# Altium PCB EPS.PcbDoc (part 6 of 10) (continued)
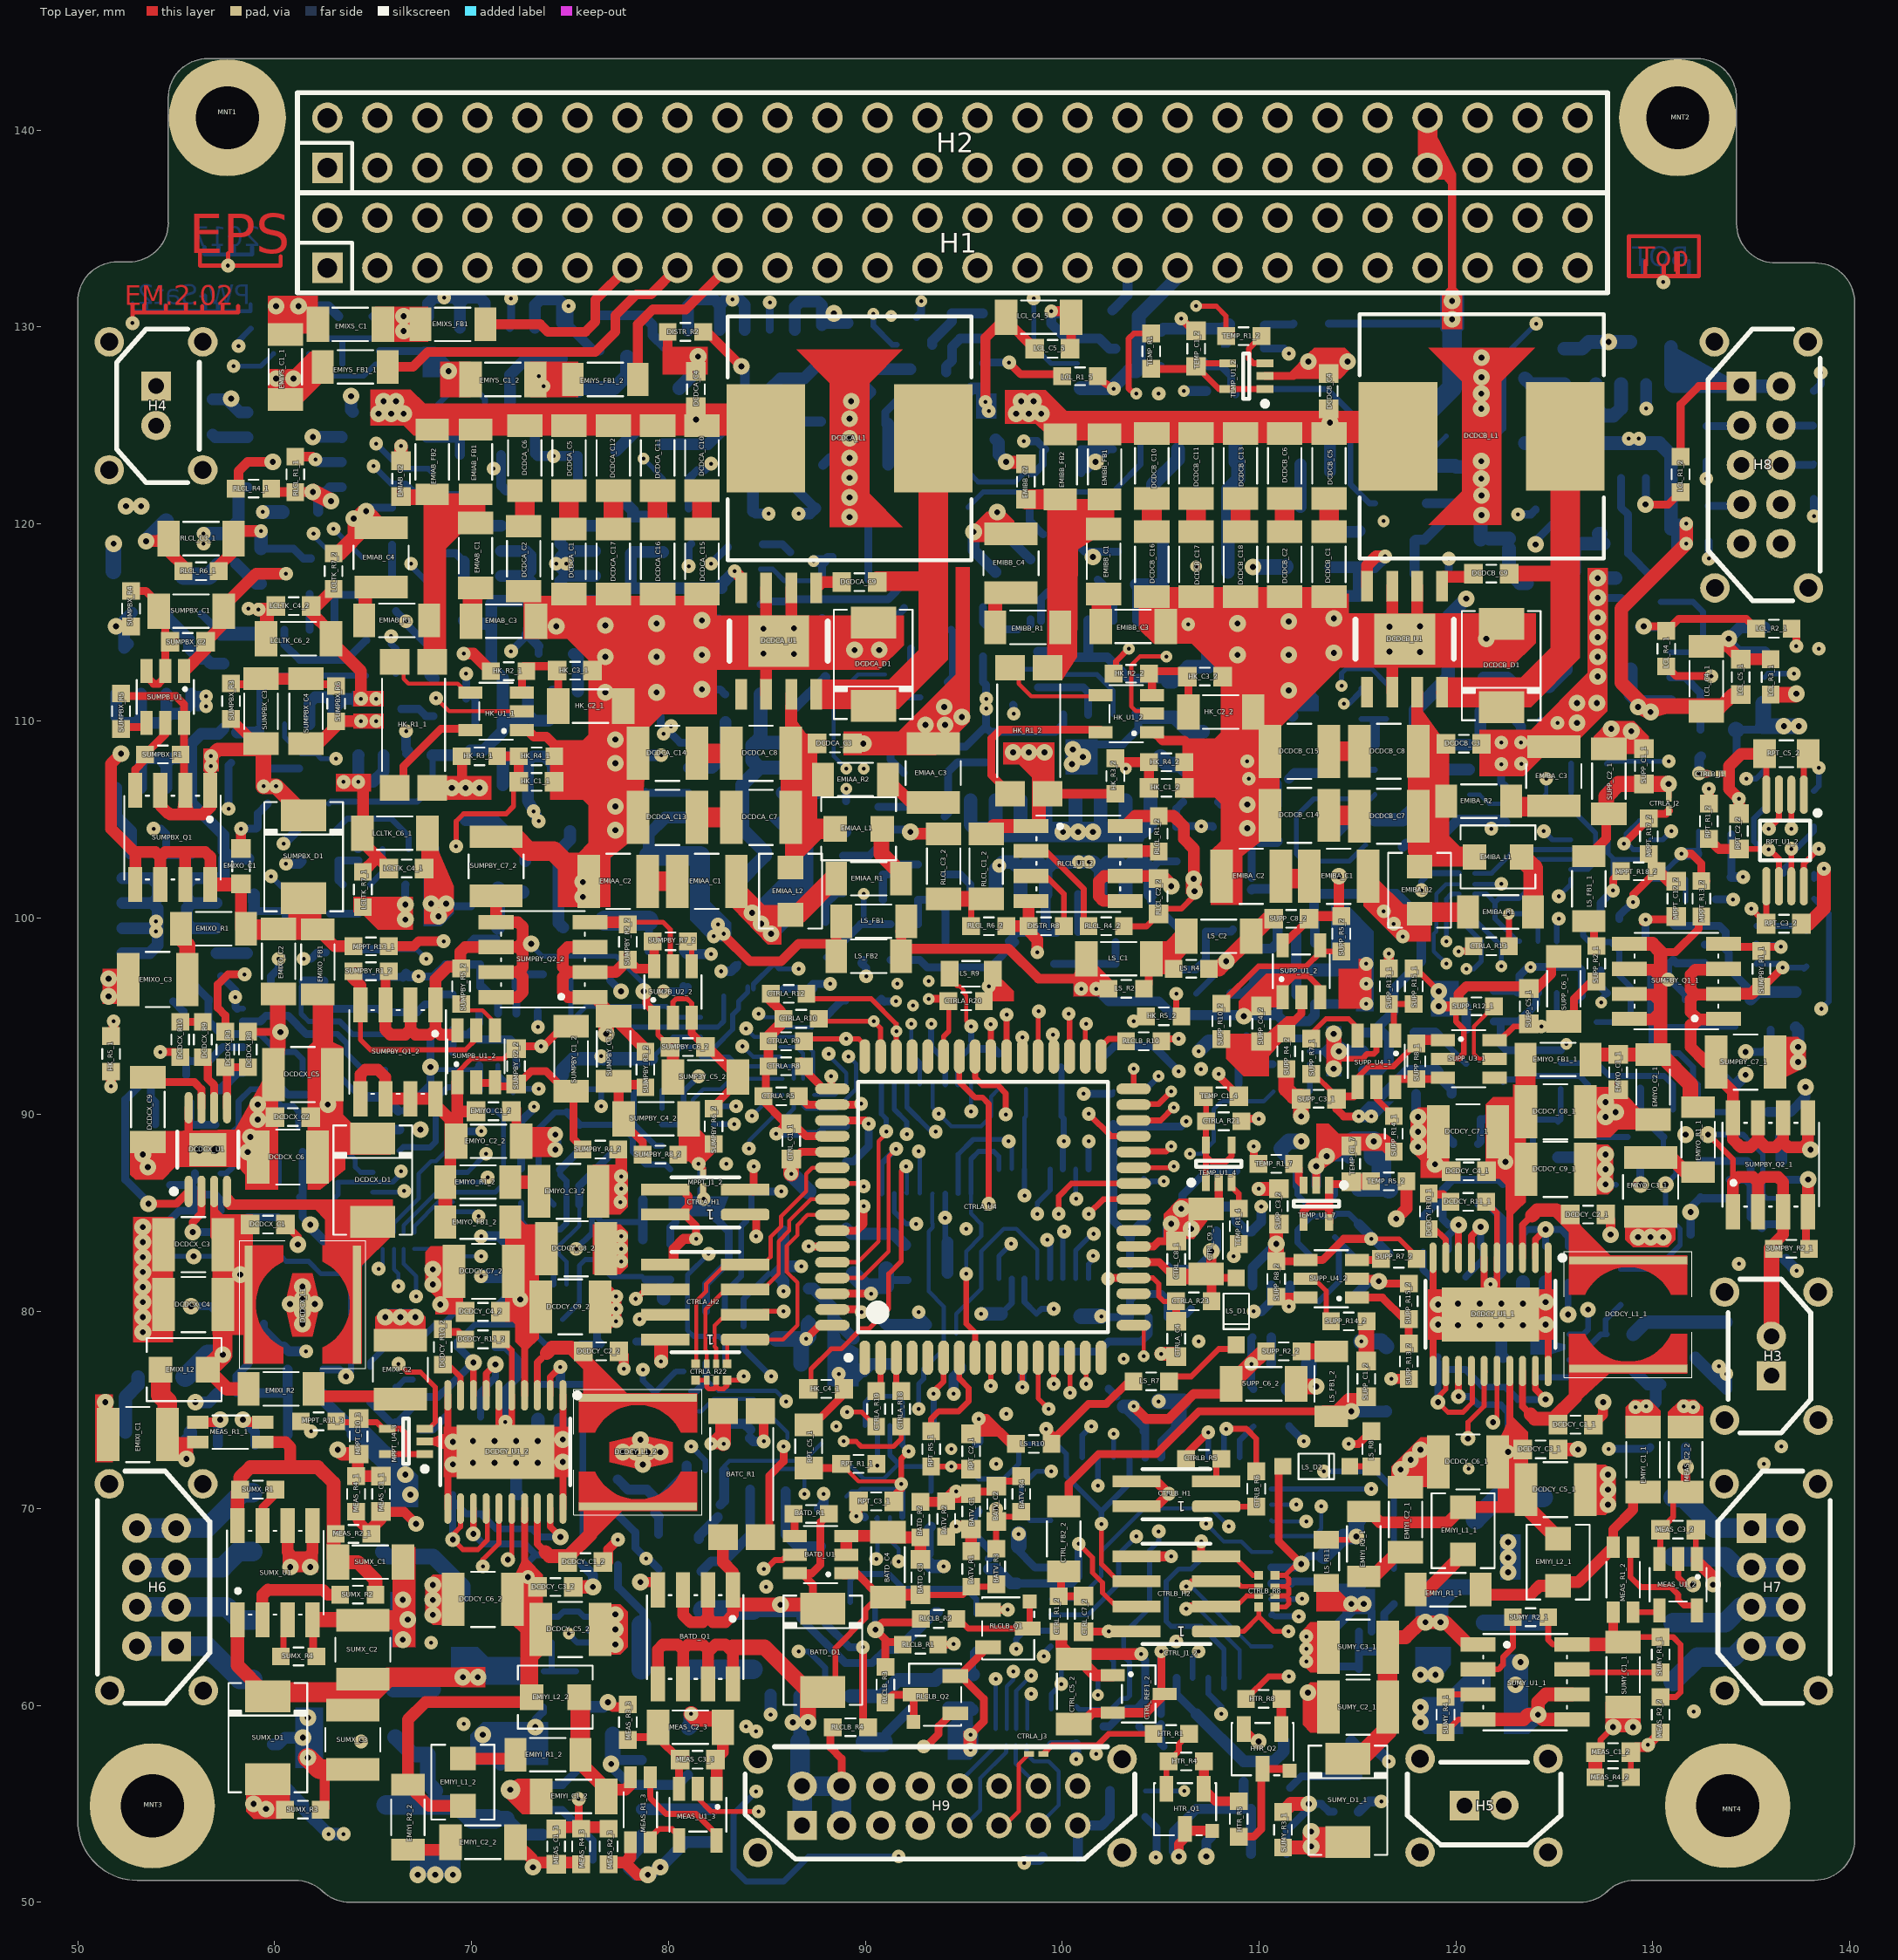
[diagram p0: Top Layer view]
## Nets (pads, with @x,y where several pads share a name; then routed paths per layer and width w, separated by ;. In a path a pad name is that pad's centre, name@x,y a point inside that pad or via, vN(x,y) a via of type N, cw(c..) or ccw(c..) an arc to the next point about the centre after c; other vN are vias at no path point) (continued)
  Top Layer w0.3: DCDCY_R10_1.1@118.58,84.29 118.845,84.29 119.48,83.655 DCDCY_U1_1.9@119.48,82.731
NetDCDCY_R10_1_2: DCDCY_R10_1.2 DCDCY_R11_1.1 | length 1.4
  Top Layer w0.4: DCDCY_R10_1.2@118.58,86.09 118.718,85.952 119.342,85.952 DCDCY_R11_1.1@119.723,85.571
NetDCDCY_R10_2_1: DCDCY_R10_2.1 DCDCY_U1_2.9 | length 2.1
  Top Layer w0.3: DCDCY_R10_2.1@68.542,77.305 68.807,77.305 69.442,76.67 DCDCY_U1_2.9@69.442,75.746
NetDCDCY_R10_2_2: DCDCY_R10_2.2 DCDCY_R11_2.1 | length 1.4
  Top Layer w0.4: DCDCY_R10_2.2@68.542,79.105 68.68,78.967 69.304,78.967 DCDCY_R11_2.1@69.685,78.586
NetDISTR_R1_2: DISTR_R1.2 LCL_U1_6.3 | length 3.2
  Bottom Layer w0.3: DISTR_R1.2@113.157,108.701 114.199,108.701 115.38,107.52 LCL_U1_6.3@115.88,107.52
NetDISTR_R2_2: DISTR_R2.2 LCL_U1_3.3 | length 5.5
  Top Layer w0.5: DISTR_R2.2@81.95,129.75 v2(83.7,128)
  Bottom Layer w0.5: v2(83.7,128) 83.88,127.82 LCL_U1_3.3@83.88,125.08
NetDISTR_R3_2: DISTR_R3.2 LCL_U1_4.3 | length 4.3
  Bottom Layer w0.3: DISTR_R3.2@68.034,125.808 68.913,126.687 70.341,126.687 70.68,126.348 LCL_U1_4.3@70.68,125.18
NetDISTR_R4_2: DISTR_R4.2 LCL_U1_5.3 | length 3.2
  Bottom Layer w0.5: DISTR_R4.2@94.1,127.7 94.1,128 94.4,128.3 94.4,129 94.82,129.42 LCL_U1_5.3@95.98,129.42
NetDISTR_R5_2: DISTR_R5.2 LCL_U1_2.3 | length 5.7
  Bottom Layer w0.4: LCL_U1_2.3@128.38,122.33 128.38,120.845 128.74,120.485 128.74,118.51 DISTR_R5.2@129.95,117.3
NetDISTR_R6_2: DISTR_R6.2 LCL_U1_1.3 | length 5.8
  Bottom Layer w0.3: DISTR_R6.2@130.402,116.04 132.042,116.04 132.55,115.532 132.55,113.881 132.154,113.485 LCL_U1_1.3@130.892,113.485
NetDISTR_R7_2: DISTR_R7.2 RLCL_U1_1.3 | length 1.8
  Bottom Layer w0.6: DISTR_R7.2@56.858,124.538 56.989,124.407 RLCL_U1_1.3@58.629,124.407
NetDISTR_R8_2: DISTR_R8.2 RLCL_U1_2.3 | length 3.7
  Top Layer w0.3: RLCL_U1_2.3@98.418,102.123 99.172,102.123 100.087,101.208 DISTR_R8.2@100.087,99.568
NetDRLCL_C1_1_1: DRLCL_C1_1.1 DRLCL_C1_2.1 DRLCL_C2_1.1 DRLCL_C2_2.1 DRLCL_C3_1.1 DRLCL_C3_2.1 DRLCL_U1_1.1 DRLCL_U1_2.1 LCLTK_C1_1.1 LCLTK_C1_2.1 LCLTK_C4_1.1 LCLTK_C4_2.1 LCLTK_C6_1.1 LCLTK_C6_2.1 LCLTK_R16_1.2 LCLTK_R16_2.2 LCLTK_U1_1.1 LCLTK_U1_2.1 LS_FB1.1 LS_FB2.1 RBL_Q1.D RBL_Q3.D | length 124.9
  Top Layer w0.5: v1(82.804,99.187) 82.804,99.111 84.125,97.79 85.725,97.79 86.614,98.679 88.265,98.679 LS_FB2.1@88.519,98.425 ; LS_FB2.1@88.52,98.044 LS_FB1.1@88.52,99.314
  Top Layer w0.6: LS_FB2.1@88.52,97.663 LS_FB2.1@88.52,98.044 ; LS_FB1.1@88.52,99.314 LS_FB1.1@88.774,99.568
  Top Layer w0.7: v1(59.182,115.659) LCLTK_C4_2.1@59.6,115.659 ; LCLTK_C6_2.1@59.6,113.8 LCLTK_C4_2.1@59.6,115.659 ; LCLTK_C4_2.1@59.895,115.659 LCLTK_C4_2.1@59.6,115.659 ; LCLTK_C6_1.1@67.8,104.3 67.8,102.65 67.65,102.5 LCLTK_C4_1.1@68.05,102.1 ; v2(67.945,100.711) 67.945,102.045 LCLTK_C4_1.1@68,102.1
  Power w0.7: v1(58.674,115.697) 58.293,115.697 55.245,112.649 55.245,110.363 56.007,109.601 63.119,109.601 67.945,104.775 v2(67.945,100.711)
  Power w1.6: v2@68.549,100.33 73.787,100.33 74.491,99.626 v1@82.481,99.626
  Power w2: 82.131,100.546 82.131,101.131 85.648,104.648 89.535,104.648 91.059,106.172 94.234,106.172 95.504,104.902 100.901,104.902 101.054,105.054 v2(101.054,108.166)
  Bottom Layer w0.4: LCLTK_R16_2.2@56.261,115.432 56.273,115.432 LCLTK_C1_2.1@57.278,114.427 ; LCLTK_C1_1.1@68.05,101.5 LCLTK_C1_1.1@68.066,101.484 ; v2(68.707,100.711) 68.834,100.584 LCLTK_R16_1.2@69.977,100.584 ; DRLCL_C1_2.1@101.689,108.801 103.086,108.801 103.863,109.578 DRLCL_U1_2.1@103.863,110.318
  Bottom Layer w0.6: DRLCL_C1_1.1@79,103.15 79,104.25 79.83,105.08 DRLCL_U1_1.1@81.03,105.08
  Bottom Layer w0.7: LCLTK_C1_2.1@57.278,114.427 LCLTK_U1_2.1@59.055,114.427 ; LCLTK_U1_1.1@68.02,103.48 68.02,101.53 LCLTK_C1_1.1@68.05,101.5 ; RBL_Q1.D@95.344,105.974 95.344,104.732 95.72,104.356 96.228,104.356 96.614,104.742 ; RBL_Q1.D@96.614,105.974 96.614,104.742 ; RBL_Q1.D@97.884,105.974 97.884,104.732 ; RBL_Q1.D@99.154,105.974 99.154,104.742 ; RBL_Q3.D@100.678,105.974 v2@100.678,104.732 ; RBL_Q3.D@101.948,105.974 101.948,104.732 ; RBL_Q3.D@103.218,105.974 103.218,104.742 ; DRLCL_U1_2.1@103.863,110.318 103.994,110.187 DRLCL_C3_2.1@105.372,110.187 105.713,110.187 106.463,109.437 DRLCL_C2_2.1@107.15,109.437 ; RBL_Q3.D@104.488,105.974 104.488,104.742 104.102,104.356 103.604,104.356 103.218,104.742 ; 96.614,104.742 96.614,104.732 96.99,104.356 97.752,104.356 97.884,104.488 97.884,104.732 ; 97.884,104.732 98.26,104.356 98.768,104.356 99.154,104.742 ; 99.154,104.742 99.154,104.732 99.53,104.356 v2(100.038,104.356) 100.546,104.356 100.678,104.488 v2@100.678,104.732 ; v2@100.678,104.732 101.054,104.356 v2(101.562,104.356) 101.816,104.356 101.948,104.488 101.948,104.732 ; 101.948,104.732 102.324,104.356 102.832,104.356 103.218,104.742
  Bottom Layer w1: DRLCL_C1_1.1@79,103.15 DRLCL_C2_1.1@81.6,103.15 DRLCL_C3_1.1@81.6,101.4 81.6,100.3
  other v1: 82.296,99.06 82.512,99.657
  other v2: 68.326,100.076 100.8,104.356 100.5,107.8 100.546,108.547
NetDRLCL_C1_1_2: DRLCL_C1_1.2 DRLCL_C5_1.1 DRLCL_R4_1.2 | length 3.8
  Bottom Layer w0.4: DRLCL_R4_1.2@78.983,98.298 79,98.315 DRLCL_C1_1.2@79,99.85
  Bottom Layer w1: DRLCL_C5_1.1@76.75,99.85 DRLCL_C1_1.2@79,99.85
NetDRLCL_C1_2_2: DRLCL_C1_2.2 DRLCL_C5_2.1 DRLCL_R4_2.2 | length 5
  Bottom Layer w0.3: DRLCL_C5_2.1@106.262,107.531 106.808,108.077 107.707,108.077 DRLCL_R4_2.2@108.966,109.336
  Bottom Layer w0.8: DRLCL_C1_2.2@104.99,108.166 105.371,107.785 106.008,107.785 DRLCL_C5_2.1@106.262,107.531
NetDRLCL_C2_1_2: DRLCL_C2_1.2 DRLCL_C3_1.2 DRLCL_R2_1.1 DRLCL_R5_1.1 DRLCL_U1_1.5 DRLCL_U1_1.6 | length 14.3
  Bottom Layer w0.7: DRLCL_C3_1.2@83.4,101.4 83.4,101.65 DRLCL_C2_1.2@84.9,103.15 84.9,103.35 83.75,104.5 83.75,106.75 84.62,107.62 ; DRLCL_R5_1.1@84.682,111.341 DRLCL_R2_1.1@84.682,110.198 84.682,109.182 84.39,108.89 ; DRLCL_U1_1.6@85.81,107.62 84.62,107.62 ; DRLCL_U1_1.5@85.81,108.89 84.39,108.89 ; 84.39,108.89 84.25,108.75 84.25,107.99 84.62,107.62
NetDRLCL_C2_2_2: DRLCL_C2_2.2 DRLCL_C3_2.2 DRLCL_R2_2.1 DRLCL_R5_2.1 DRLCL_U1_2.5 DRLCL_U1_2.6 | length 14
  Bottom Layer w0.5: DRLCL_R2_2.1@98.768,113.511 99.952,113.511 100.053,113.612 ; DRLCL_U1_2.5@100.053,115.098 100.053,113.612 ; DRLCL_U1_2.6@101.323,115.098 101.323,113.231 ; DRLCL_C3_2.2@105.372,111.987 105.218,112.141 103.378,112.141 102.288,113.231 101.323,113.231 ; 100.053,113.612 100.434,113.231 101.323,113.231
  Bottom Layer w0.7: DRLCL_C3_2.2@105.372,111.987 105.637,111.987 106.387,112.737 DRLCL_C2_2.2@107.15,112.737 ; DRLCL_C2_2.2@107.404,112.738 DRLCL_R5_2.1@107.404,113.997
NetDRLCL_C4_1_1: DRLCL_C4_1.1 DRLCL_R6_1.2 DRLCL_U1_1.8 EMIAA_C1.1 EMIAA_L2.2 EMIAA_R1.1 EMIBA_C1.1 EMIBA_L2.2 EMIBA_R1.1 | length 20.8
  Top Layer w1: EMIAA_C1.1@83.45,101.85 83.45,101.35 84.65,100.15 EMIAA_L2.2@86.2,100.15 ; EMIAA_L2.2@86.215,100.165 EMIAA_L2.2@86.2,100.15 ; EMIAA_R1.1@88.52,102.109 86.561,100.15 EMIAA_L2.2@86.2,100.15 ; EMIBA_C1.1@115.65,101.65 117.1,100.2 EMIBA_L2.2@118.15,100.2 118.242,100.292 EMIBA_R1.1@120.613,100.292
  Bottom Layer w0.6: 86.54,104.35 DRLCL_C4_1.1@88.978,104.35
  Bottom Layer w1: v2(84.25,100.25) 85.65,100.25 86.54,101.14 86.54,104.35
  other v1: 117.3,99.05 116.84,99.695 116.332,100.33
  other v2: 85.217,99.187 84.709,99.695
NetDRLCL_C4_2_1: DRLCL_C4_2.1 DRLCL_R6_2.2 DRLCL_U1_2.8 EMIVBAT_FB1.2 EMIVBAT_FB2.2 | length 6.9
  Bottom Layer w0.6: DRLCL_U1_2.8@103.863,115.098 103.863,116.798 DRLCL_R6_2.2@103.732,116.929 EMIVBAT_FB2.2@105.119,116.929 ; EMIVBAT_FB1.2@105.119,119.469 EMIVBAT_FB2.2@105.119,117.564 EMIVBAT_FB2.2@105.119,116.929 ; DRLCL_C4_2.1@105.245,115.924 105.119,116.05 EMIVBAT_FB2.2@105.119,116.929
NetDRLCL_R2_1_2: DRLCL_R2_1.2 DRLCL_U1_1.3 | length 3.8
  Bottom Layer w0.6: DRLCL_U1_1.3@81.03,107.62 82.22,107.62 82.893,108.293 DRLCL_R2_1.2@82.893,109.933
NetDRLCL_R2_2_2: DRLCL_R2_2.2 DRLCL_U1_2.3 | length 3.8
  Bottom Layer w0.4: DRLCL_R2_2.2@98.768,111.711 101.065,111.711 101.323,111.453 DRLCL_U1_2.3@101.323,110.318
NetDRLCL_R3_1_1: DRLCL_R3_1.1 DRLCL_U1_1.2 | length 2.2
  Bottom Layer w0.4: DRLCL_R3_1.1@78.829,106.377 78.856,106.35 DRLCL_U1_1.2@81.03,106.35
NetDRLCL_R3_2_1: DRLCL_R3_2.1 DRLCL_U1_2.2 | length 6.8
  Bottom Layer w0.254: DRLCL_R3_2.1@97.498,112.622 99.519,112.622 99.784,112.357 101.765,112.357 102.593,111.529 DRLCL_U1_2.2@102.593,110.318
NetDRLCL_R6_1_1: DRLCL_R6_1.1 DRLCL_U1_1.7 | length 1.7
  Bottom Layer w0.7: DRLCL_U1_1.7@85.81,106.35 DRLCL_R6_1.1@87.5,106.35
NetDRLCL_R6_2_1: DRLCL_R6_2.1 DRLCL_U1_2.7 | length 2.4
  Bottom Layer w0.4: DRLCL_R6_2.1@101.805,117.183 102.593,116.395 DRLCL_U1_2.7@102.593,115.098
NetDRLCL_U1_1_4: DRLCL_U1_1.4 DRLCL_U1_2.4 SEL_C1.1 SEL_D3.K SEL_D4.K SEL_R1.1 SEL_R2.2 SEL_R3.2 | length 41.7
  Power w0.7: v1(80.137,109.728) 86.614,109.728 88.265,111.379 91.694,111.379 92.837,112.522 94.742,112.522 v1(96.139,111.125)
  Signal 1 w0.4: v1(80.137,109.728) 80.645,110.236 80.645,117.475 v1(81.026,117.856)
  Bottom Layer w0.4: SEL_C1.1@79.602,110.198 79.602,109.882 80.594,108.89 DRLCL_U1_1.4@81.03,108.89 ; v1(81.026,117.856) 81.026,118.861 SEL_R1.1@81.153,118.988 ; SEL_D4.K@92.799,108.694 95.094,108.694 SEL_R3.2@96.037,109.637 ; SEL_D3.K@95.974,113.266 95.974,111.987 96.139,111.822 v1(96.139,111.125) v1(96.139,110.617) SEL_R3.2@96.139,109.663 ; SEL_R3.2@96.101,109.574 96.09,109.585 96.139,109.634 SEL_R3.2@96.139,109.663 ; SEL_R3.2@96.101,109.701 SEL_R3.2@96.139,109.663 ; DRLCL_U1_2.4@100.053,110.318 100.053,109.832 99.657,109.436 96.366,109.436 SEL_R3.2@96.139,109.663
  other v1: 79.756,109.347
NetEMIAA_C1_2: EMIAA_C1.2 EMIAA_C2.1 | length 1.5
  Top Layer w1: EMIAA_C2.1@78.95,101.85 EMIAA_C1.2@80.45,101.85
NetEMIAA_C3_1: EMIAA_C3.1 EMIAA_R2.1 | length 2.8
  Top Layer w0.6: EMIAA_R2.1@91.147,107.023 92.32,105.85 EMIAA_C3.1@93.45,105.85
NetEMIAA_L1_2: EMIAA_L1.2 EMIAA_R1.2 | length 2.4
  Top Layer w0.8: EMIAA_L1.2@90.824,104.356 90.824,103.232 EMIAA_R1.2@91.694,102.362
NetEMIAB_C1_1: EMIAB_C1.1 EMIAB_C2.1 EMIAB_FB1.1 EMIAB_FB2.1 EMIAB_R1.1 HK_R1_1.1 | length 3.1
  Top Layer w0.8: EMIAB_C2.1@66.35,121.35 EMIAB_FB2.1@68,121.35
  Top Layer w1: EMIAB_C1.1@70.2,120.05 EMIAB_FB1.1@70.2,121.5
NetEMIAB_C1_2: EMIAB_C1.2 EMIAB_C3.1 | length 1.6
  Top Layer w1: EMIAB_C3.1@70.05,115 70.05,116.35 EMIAB_C1.2@70.2,116.5
NetEMIAB_C4_1: EMIAB_C4.1 EMIAB_R1.2 | length 1.6
  Top Layer w0.7: EMIAB_R1.2@64.6,115.1 EMIAB_C4.1@64.6,116.7
NetEMIBA_C1_2: EMIBA_C1.2 EMIBA_C2.1 | length 1.4
  Top Layer w1: EMIBA_C2.1@111.125,101.981 EMIBA_C1.2@112.522,101.981
NetEMIBA_C3_1: EMIBA_C3.1 EMIBA_R2.1 | length 2.1
  Top Layer w1: EMIBA_R2.1@123.05,105.65 EMIBA_C3.1@125.15,105.65
NetEMIBA_L1_2: EMIBA_L1.2 EMIBA_R1.2 | length 3
  Top Layer w1: EMIBA_L1.2@123.336,103.086 123.913,102.509 EMIBA_R1.2@123.913,100.292
NetEMIBB_C1_1: EMIBB_C1.1 EMIBB_C2.1 EMIBB_FB1.1 EMIBB_FB2.1 EMIBB_R1.1 HK_R1_2.1 | length 3.1
  Top Layer w1: EMIBB_C2.1@98.15,121.25 EMIBB_FB2.1@99.9,121.25 ; EMIBB_C1.1@102.15,119.9 EMIBB_FB1.1@102.15,121.25
NetEMIBB_C1_2: EMIBB_C1.2 EMIBB_C3.1 | length 1.4
  Top Layer w1: EMIBB_C3.1@102,114.9 102,116.1 EMIBB_C1.2@102.15,116.25
NetEMIBB_C4_1: EMIBB_C4.1 EMIBB_R1.2 | length 1.5
  Top Layer w0.7: EMIBB_R1.2@96.6,114.75 EMIBB_C4.1@96.6,116.25
NetEMIVBAT_C1_1: EMIVBAT_C1.1 EMIVBAT_C2.1 EMIVBAT_FB1.1 EMIVBAT_FB2.1 EMIVBAT_R1.1 HK_R1_3.1 | length 8.8
  Bottom Layer w0.7: EMIVBAT_FB2.1@108.419,117.564 EMIVBAT_FB1.1@108.419,119.469 108.419,121.754 108.929,122.264 EMIVBAT_R1.1@108.929,123.152 ; EMIVBAT_C1.1@108.801,124.792 110.242,124.792 HK_R1_3.1@110.4,124.95 ; EMIVBAT_R1.1@108.802,123.152 EMIVBAT_C1.1@108.802,124.537
NetEMIVBAT_C1_2: EMIVBAT_C1.2 EMIVBAT_C3.1 | length 2.7
  Bottom Layer w0.4: EMIVBAT_C3.1@107.188,128.259 107.431,128.016 108.077,128.016 108.585,127.508 108.585,126.808 EMIVBAT_C1.2@108.801,126.592
NetEMIVBAT_C2_2: EMIVBAT_C2.2 EMIVBAT_C4.1 | length 2.8
  Bottom Layer w0.7: EMIVBAT_C2.2@104.61,121.501 104.61,122.009 105.879,123.278 EMIVBAT_C4.1@105.879,123.787
NetEMIVBAT_C5_1: EMIVBAT_C5.1 EMIVBAT_R1.2 | length 2.2
  Bottom Layer w0.6: EMIVBAT_C5.1@112.102,120.866 EMIVBAT_R1.2@112.102,123.025
NetEMIXI_C1_1: EMIXI_C1.1 EMIXI_L2.2 EMIXI_R1.1 MEAS_R1_1.4 | length 7.7
  Top Layer w0.5: EMIXI_C1.1@54.737,73.56 54.921,73.376 MEAS_R1_1.4@56.097,73.376
  Top Layer w0.7: EMIXI_C1.1@54.548,73.749 EMIXI_C1.1@54.737,73.56 ; EMIXI_C1.1@54.921,73.376 55.193,73.103 55.193,72.846 v2(55.523,72.517)
  Top Layer w1: EMIXI_L2.2@54.204,77.051 54.204,75.768 54.548,75.424 EMIXI_C1.1@54.548,73.749
  Bottom Layer w0.7: v2(55.523,72.517) 55.523,73.43 55.714,73.621 EMIXI_R1.1@55.714,73.876
NetEMIXI_C2_1: EMIXI_C2.1 EMIXI_R2.1 | length 3.6
  Top Layer w0.6: EMIXI_R2.1@61.976,75.692 EMIXI_C2.1@65.329,75.692
  Top Layer w0.7: EMIXI_C2.1@65.329,75.692 EMIXI_C2.1@65.494,75.527
NetEMIXI_L1_2: EMIXI_L1.2 EMIXI_R1.2 | length 3.1
  Bottom Layer w0.7: EMIXI_R1.2@52.414,73.876 52.414,75.655 53.061,76.302 EMIXI_L1.2@53.061,76.67
NetEMIXO_C1_1: EMIXO_C1.1 EMIXO_C2.1 EMIXO_FB1.1 EMIXO_R1.2 MPPT_R13_1.2 SUMPB_U1.1 SUMPBX_C1.1 SUMPBX_C2.1 SUMPBX_D1.A SUMPBX_Q1.D | length 43.1
  Top Layer w0.6: v2(52.197,108.331) 51.689,107.823 51.689,104.521 52.87,103.34 53.023,103.34 ; SUMPBX_Q1.D@52.921,101.689 52.921,103.238 53.023,103.34 ; SUMPBX_Q1.D@54.191,101.689 54.191,103.086 ; SUMPB_U1.1@55.395,112.524 56.488,113.617 SUMPBX_C2.1@56.488,114.008 57.403,114.923 SUMPBX_C1.1@57.403,115.57 ; SUMPBX_Q1.D@55.461,101.689 55.461,103.213 ; SUMPBX_Q1.D@56.731,101.689 56.731,103.086 56.477,103.34 54.445,103.34 54.191,103.086 ; SUMPBX_C1.1@57.746,116.166 59.055,117.475 v1(60.579,117.475) ; EMIXO_C1.1@58.166,101.716 EMIXO_C1.1@58.271,101.694 ; EMIXO_R1.2@58.293,99.442 EMIXO_C1.1@58.293,101.689 ; EMIXO_C1.1@58.293,101.716 EMIXO_C1.1@58.271,101.694 ; EMIXO_FB1.1@62.192,99.402 63.042,98.552 MPPT_R13_1.2@63.997,98.552 ; 53.023,103.34 53.937,103.34 54.191,103.086 ; EMIXO_C1.1@58.271,101.694 58.288,101.69 EMIXO_C1.1@58.293,101.689 ; EMIXO_C1.1@58.271,101.694 58.266,101.689 EMIXO_C1.1@58.293,101.689
  Top Layer w0.7: SUMPBX_Q1.D@56.731,101.689 EMIXO_C1.1@58.266,101.689
  Signal 1 w0.6: v2(52.197,108.331) 52.197,110.998 57.912,116.713 59.944,116.713 60.579,117.348 v1(60.579,117.475)
NetEMIXO_C3_1: EMIXO_C3.1 EMIXO_R1.1 | length 2.8
  Top Layer w0.8: EMIXO_R1.1@55.119,99.441 55.119,99.059 55.564,98.614 EMIXO_C3.1@55.564,96.863
NetEMIXS_C1_1: EMIXS_C1.1 EMIXS_FB1.1 SUMX_D1.A SUMX_R3.1 | length 93
  Top Layer w0.3: EMIXS_C1.1@65.493,130.137 EMIXS_C1.1@65.874,130.518
  Top Layer w0.5: SUMX_D1.A@59.642,56.242 60.217,56.242 60.53,55.929 SUMX_R3.1@60.53,54.699
  Power w1: v2(58.928,54.991) 58.928,61.341 57.023,63.246 57.023,69.088 58.039,70.104 58.039,71.726 51.943,77.822 51.943,90.043 52.033,90.133 52.125,90.133 53.086,91.094 53.086,97.536 51.562,99.06 51.562,104.775 53.594,106.807 53.594,108.839 52.578,109.855 52.578,113.538 54.864,115.824 54.864,120.142 55.626,120.904 57.531,120.904 58.42,121.793 58.42,123.952 60.452,125.984 61.849,125.984 62.611,126.746 62.611,127.889 64.897,130.175 66.091,130.175 v2@66.51,129.756
  other v2: 59.563,54.737 66.548,129.794 66.548,130.556
NetEMIXS_C2_1: EMIXS_C2.1 EMIXS_C3.1 EMIXS_FB2.1 EMIXS_FB3.1 SUMX_C2.1 SUMX_C3.1 SUMX_D1.K SUMX_U1.1 | length 63.6
  Top Layer w0.7: SUMX_U1.1@58.113,64.344 58.113,62.029 SUMX_D1.K@59.474,60.668
  Top Layer w1: SUMX_D1.K@59.474,60.668 64.986,60.668 65.748,61.43 v2@69.431,61.43
  Power w1.5: 71.971,61.557 78.524,61.557 78.994,61.087 88.189,61.087 89.078,60.198 95.758,60.198 96.774,59.182 105.664,59.182 108.204,56.642 113.03,56.642 115.913,59.525 117.818,59.525
  other v2: 118.199,59.144 118.199,59.906 69.558,61.43 70.32,61.43
NetEMIXS_FB2_2: EMIXS_FB2.2 EMIXS_T1.4 | length 5.2
  Bottom Layer w0.8: EMIXS_T1.4@65.492,67.804 65.732,67.564 68.042,67.564 69.558,66.048 EMIXS_FB2.2@69.558,65.621
NetEMIXS_FB3_2: EMIXS_FB3.2 EMIXS_T2.4 | length 3
  Bottom Layer w0.8: EMIXS_FB3.2@121.397,64.2 EMIXS_T2.4@124.424,64.2
NetEMIXS_T1_1: EMIXS_T1.1 H6.3 H6.7 | length 6.2
  Bottom Layer w1: H6.7@53,67 H6.3@55,67 57.348,67 58.152,67.804 EMIXS_T1.1@58.892,67.804
NetEMIXS_T1_2: EMIXS_T1.2 H6.4 H6.8 | length 6.6
  Bottom Layer w1: H6.8@53,69 H6.4@55,69 56.554,69 58.358,70.804 EMIXS_T1.2@58.892,70.804
NetEMIXS_T2_1: EMIXS_T2.1 H7.3 H7.7 | length 6.3
  Bottom Layer w1: EMIXS_T2.1@131.024,64.2 133.669,64.2 134.469,65 H7.3@135,65 H7.7@137,65
NetEMIXS_T2_2: EMIXS_T2.2 H7.4 H7.8 | length 6.7
  Bottom Layer w1: EMIXS_T2.2@131.024,61.2 132.27,62.446 134.074,62.446 134.628,63 H7.4@135,63 H7.8@137,63
NetEMIYI_C1_1_1: EMIYI_C1_1.1 EMIYI_L2_1.2 EMIYI_R1_1.1 MEAS_R1_2.4 | length 10.2
  Top Layer w0.5: MEAS_R1_2.4@127.986,68.033 127.986,68.931 128.994,69.939 EMIYI_C1_1.1@128.994,70.574
  Top Layer w0.6: EMIYI_R1_1.1@121.246,65.875 121.5,65.621 123.787,65.621 124.238,66.072 EMIYI_L2_1.2@125.184,66.072 ; EMIYI_L2_1.2@125.692,66.256 126.209,66.256 MEAS_R1_2.4@127.986,68.033
NetEMIYI_C1_2_1: EMIYI_C1_2.1 EMIYI_L2_2.2 EMIYI_R1_2.1 MEAS_R1_3.4 | length 7.1
  Top Layer w0.6: EMIYI_C1_2.1@76.796,55.461 77.05,55.715 77.813,55.715 78.075,55.977 MEAS_R1_3.4@78.075,56.349
  Top Layer w0.7: EMIYI_R1_2.1@75.526,57.493 75.526,57.062 76.669,55.919 EMIYI_C1_2.1@76.669,55.461
  Top Layer w1: EMIYI_L2_2.2@75.457,60.16 75.526,60.091 EMIYI_R1_2.1@75.526,57.493
NetEMIYI_C2_1_1: EMIYI_C2_1.1 EMIYI_R2_1.1 | length 2.6
  Top Layer w0.7: EMIYI_R2_1.1@115.316,66.675 115.95,66.675 117.056,67.781 EMIYI_C2_1.1@117.437,67.781
NetEMIYI_C2_2_1: EMIYI_C2_2.1 EMIYI_R2_2.1 | length 2.3
  Top Layer w0.6: EMIYI_R2_2.1@66.764,52.668 68.544,52.668 EMIYI_C2_2.1@68.924,53.048
NetEMIYI_L1_1_2: EMIYI_L1_1.2 EMIYI_R1_1.2 | length 3.2
  Top Layer w0.7: EMIYI_R1_1.2@117.946,65.875 118.567,65.875 EMIYI_L1_1.2@120.358,67.666
NetEMIYI_L1_2_2: EMIYI_L1_2.2 EMIYI_R1_2.2 | length 2.7
  Top Layer w0.6: EMIYI_L1_2.2@69.558,57.296 72.029,57.296 EMIYI_R1_2.2@72.226,57.493
NetEMIYO_C1_1_1: EMIYO_C1_1.1 EMIYO_C2_1.1 EMIYO_FB1_1.1 EMIYO_R1_1.2 MPPT_R13_2.2 SUMPB_U1_1.1 SUMPBY_C1_1.1 SUMPBY_C2_1.1 SUMPBY_Q1_1.D | length 26
  Top Layer w0.4: 130.391,98.26 131.153,98.26 132.334,99.441 MPPT_R13_2.2@132.334,99.822
  Top Layer w0.6: SUMPBY_Q1_1.D@128.646,94.826 130.005,94.826 130.264,95.085 ; SUMPBY_Q1_1.D@128.646,96.096 130.015,96.096 130.264,95.847 ; SUMPBY_Q1_1.D@128.646,97.366 130.015,97.366 130.264,97.117
  Top Layer w0.7: EMIYO_FB1_1.1@126.834,92.799 127.087,93.052 EMIYO_C2_1.1@130.01,93.052 130.391,93.433 130.391,98.26 129.977,98.674 SUMPBY_Q1_1.D@128.811,98.674
  Top Layer w0.8: EMIYO_C2_1.1@130.01,93.052 130.392,93.052 131.915,91.529 EMIYO_R1_1.2@131.915,90.64
  Bottom Layer w0.4: SUMPBY_C1_1.1@131.662,95.847 131.662,96.1 130.772,96.99 130.772,97.614 131.026,97.868 131.203,97.691 SUMPB_U1_1.1@132.637,97.691
  other v1: 130.772,96.863
NetEMIYO_C1_2_1: EMIYO_C1_2.1 EMIYO_C2_2.1 EMIYO_FB1_2.1 EMIYO_R1_2.2 MPPT_R13_3.2 SUMPB_U1_2.1 SUMPBY_C1_2.1 SUMPBY_C2_2.1 SUMPBY_Q1_2.D | length 33.2
  Top Layer w0.254: SUMPB_U1_2.1@69.281,91.654 69.281,92.141 69.977,92.837 71.628,92.837 72.147,93.356 SUMPBY_C2_2.1@72.263,93.356 SUMPBY_C2_2.1@72.39,93.356
  Top Layer w0.4: SUMPBY_C2_2.1@72.39,93.356 72.506,93.472 v1(73.533,93.472) 73.533,93.355 74.729,94.551 SUMPBY_C1_2.1@74.993,94.551
  Top Layer w0.6: SUMPBY_Q1_2.D@64.351,91.067 64.351,92.037 64.605,92.291 65.24,92.291 65.621,91.91 65.621,90.813 SUMPBY_Q1_2.D@68.166,90.813 ; SUMPBY_Q1_2.D@68.224,90.449 68.924,89.75 EMIYO_R1_2.2@68.924,86.576 ; EMIYO_C2_2.1@69.178,88.608 EMIYO_C2_2.1@69.216,88.646 69.281,88.711 69.281,90.17 ; SUMPB_U1_2.1@69.281,91.654 69.281,90.17 ; EMIYO_C1_2.1@70.347,90.17 EMIYO_C1_2.1@70.22,90.17 69.281,90.17
  Top Layer w0.7: EMIYO_R1_2.2@68.67,86.576 68.67,84.545 EMIYO_FB1_2.1@68.671,84.544
  Power w0.4: v1(73.533,93.472) 75.184,95.123 79.248,95.123 79.756,95.631 v1(79.756,96.266)
  Signal 2 w0.4: v1@73.533,93.355 v1(73.533,93.472)
  Bottom Layer w0.4: v1(79.756,96.266) 80.761,96.266 MPPT_R13_3.2@80.888,96.393 ; MPPT_R13_3.2@80.761,96.52 MPPT_R13_3.2@80.888,96.393 ; MPPT_R13_3.2@80.977,96.482 MPPT_R13_3.2@80.888,96.393
NetEMIYO_C3_1_1: EMIYO_C3_1.1 EMIYO_R1_1.1 | length 2.7
  Top Layer w0.7: EMIYO_C3_1.1@129.883,87.822 130.923,87.822 131.66,87.085 EMIYO_R1_1.1@132.296,87.085
NetEMIYO_C3_2_1: EMIYO_C3_2.1 EMIYO_R1_2.1 | length 1.7
  Top Layer w0.7: EMIYO_R1_2.1@71.97,86.576 73.138,86.576 EMIYO_C3_2.1@73.519,86.195
NetEMIYS_C1_1_1: EMIYS_C1_1.1 EMIYS_FB1_1.1 SUMY_D1_1.A SUMY_R3_1.1 | length 140.6
  Top Layer w0.7: SUMY_R3_1.1@111.214,52.783 112.6,52.783 v2(112.649,52.832)
  Signal 1 w0.7: v2@61.049,127.47 v2(60.96,127.381) 60.884,127.305 60.884,119.685 59.055,117.856 53.086,117.856 50.965,115.735 50.965,99.276 53.086,97.155 53.086,91.306 51.816,90.036 51.816,77.978 57.912,71.882 57.912,58.42 61.087,55.245 63.627,55.245 65.659,53.213 80.518,53.213 82.677,51.054 108.839,51.054 110.617,52.832 v2(112.649,52.832)
  other v2: 112.649,53.594 60.071,127.381
NetEMIYS_C1_2_1: EMIYS_C1_2.1 EMIYS_FB1_2.1 SUMY_D1_2.A SUMY_R3_2.1 | length 108.9
  Signal 1 w0.8: v2(53.213,120.904) 56.769,120.904 58.547,122.682 58.547,124.714 58.928,125.095 58.928,128.016 59.436,128.524 62.611,128.524 63.615,127.52 67.044,127.52 68.199,126.365 72.453,126.365 v1@73.374,127.286
  Signal 2 w1: v2(52.451,120.904) v2(53.213,120.904) 53.467,120.904 54.737,119.634 54.737,114.935 53.594,113.792 53.594,107.442 51.689,105.537 51.689,99.441 53.086,98.044 53.086,91.094 52.125,90.133 52.033,90.133 51.816,89.916 51.816,77.216 55.118,73.914 56.134,73.914 58.42,71.628 58.42,57.785 v1(62.738,53.467)
  Bottom Layer w0.6: SUMY_R3_2.1@59.906,56.212 60.18,56.212 SUMY_D1_2.A@61.449,54.943 61.449,54.756 v1(62.738,53.467) v1(63.5,53.467)
  other v1: 73.66,127 73.406,127.508
NetEMIYS_C2_1_1: EMIYS_C2_1.1 EMIYS_FB2_1.1 SUMY_C2_1.1 SUMY_C3_1.1 SUMY_D1_1.K SUMY_U1_1.1 | length 12.3
  Top Layer w0.7: SUMY_C3_1.1@116.421,63.462 117.437,63.462 118.199,64.224 v2(118.453,64.224) v2(119.215,64.224) 119.469,64.224 120.597,63.096 SUMY_U1_1.1@121.113,63.096
  Top Layer w1: SUMY_D1_1.K@114.506,57.287 115.072,57.287 116.524,58.739 SUMY_C2_1.1@116.524,59.906 SUMY_C3_1.1@116.524,62.954
NetEMIYS_C2_2_1: EMIYS_C2_2.1 EMIYS_FB2_2.1 SUMY_C2_2.1 SUMY_C3_2.1 SUMY_D1_2.K SUMY_U1_2.1 | length 12.6
  Bottom Layer w0.6: SUMY_C2_2.1@71.796,54.239 72.606,53.429 SUMY_U1_2.1@73.622,53.429
  Bottom Layer w0.8: EMIYS_C2_2.1@66.128,58.382 67.016,57.494 EMIYS_FB2_2.1@67.78,57.494 67.78,56.048 SUMY_C3_2.1@68.161,55.667 ; SUMY_C2_2.1@71.209,54.239 SUMY_C2_2.1@71.796,54.239
  Bottom Layer w1: SUMY_D1_2.K@65.669,54.943 69.314,54.943 70.018,54.239 SUMY_C2_2.1@71.209,54.239
NetEMIYS_FB2_1_2: EMIYS_FB2_1.2 EMIYS_T1_1.4 | length 3.9
  Bottom Layer w1: EMIYS_FB2_1.2@120.993,69.43 122.113,70.55 EMIYS_T1_1.4@124.424,70.55
NetEMIYS_FB2_2_2: EMIYS_FB2_2.2 EMIYS_T1_2.4 | length 2
  Bottom Layer w0.8: EMIYS_T1_2.4@66.025,60.794 EMIYS_FB2_2.2@67.78,60.794 EMIYS_FB2_2.2@68.034,60.794
NetEMIYS_T1_1_1: EMIYS_T1_1.1 H7.1 H7.5 | length 6.6
  Bottom Layer w1: EMIYS_T1_1.1@131.024,70.55 131.558,70.55 133.108,69 H7.1@135,69 H7.5@137,69
NetEMIYS_T1_1_2: EMIYS_T1_1.2 H7.2 H7.6 | length 6.2
  Bottom Layer w1: EMIYS_T1_1.2@131.024,67.55 133.669,67.55 134.219,67 H7.2@135,67 H7.6@137,67
NetEMIYS_T1_2_1: EMIYS_T1_2.1 H6.1 H6.5 | length 6.6
  Bottom Layer w1: H6.5@53,63 H6.1@55,63 56.558,63 58.231,61.327 EMIYS_T1_2.1@58.892,61.327
NetEMIYS_T1_2_2: EMIYS_T1_2.2 H6.2 H6.6 | length 6.2
  Bottom Layer w1: H6.6@53,65 H6.2@55,65 57.555,65 58.228,64.327 EMIYS_T1_2.2@58.892,64.327
NetH3_1: H3.1 H4.1 RBL_C1.1 RBL_C3.1 RBL_Q1.S RBL_Q3.S RBL_R1.1 RBL_R3.1 RBL_R6.1 RBL_R8.1 | length 165
  Signal 1 w1: H4.1@53.975,127 53.975,129.54 55.626,131.191 57.531,131.191 58.928,129.794 64.008,129.794 65.136,128.666 67.706,128.666 68.326,129.286 74.422,129.286 75.565,128.143 75.565,124.079 77.978,121.666 83.693,121.666 84.455,122.428 86.614,122.428 87.884,121.158 87.884,119.761 88.773,118.872 88.773,115.443 88.011,114.681 88.011,113.157 96.802,104.366 v1(96.802,102.644) ; 101.092,102.489 103.759,99.822 108.077,99.822 111.506,103.251 125.095,103.251 126.619,101.727 126.619,100.584 129.032,98.171 133.477,98.171 136.144,95.504 136.144,86.487 131.826,82.169 131.826,79.629 132.715,78.74 133.604,78.74 135.604,76.74 H3.1@136.017,76.74
  Bottom Layer w0.4: RBL_R3.1@91.275,97.868 92.759,97.868 93.15,97.477 96.333,97.477 RBL_C1.1@97.624,98.768 ; RBL_C1.1@97.281,98.806 RBL_C1.1@97.408,98.933 RBL_C1.1@97.8,99.325 ; 104.488,102.446 104.912,102.87 RBL_R8.1@105.814,102.87 ; RBL_Q3.S@104.502,101.18 104.502,100.857 106.006,99.353 RBL_C3.1@106.006,99.022
  Bottom Layer w0.5: 99.154,99.358 RBL_Q1.S@99.154,101.194
  Bottom Layer w0.6: RBL_C1.1@97.8,99.325 99.121,99.325 ; 99.154,99.358 99.121,99.325 ; RBL_R6.1@99.695,99.325 99.121,99.325
  Bottom Layer w0.7: RBL_Q1.S@96.614,101.194 96.614,102.456 v1(96.802,102.644) 96.99,102.832 97.498,102.832 97.884,102.446 ; RBL_Q1.S@97.884,101.194 97.884,102.446 ; RBL_Q1.S@99.154,101.194 99.154,102.446 ; RBL_Q3.S@101.948,101.194 101.948,102.456 ; RBL_Q3.S@103.218,101.194 103.218,102.446 ; RBL_Q3.S@104.488,101.194 104.488,102.446 104.102,102.832 103.594,102.832 103.218,102.456 103.218,102.446 ; 97.884,102.446 97.884,102.456 98.26,102.832 98.768,102.832 99.154,102.446 ; 99.154,102.446 99.154,102.456 99.53,102.832 v1(100.838,102.832) v1(101.346,102.832) 101.572,102.832 101.948,102.456 ; 101.948,102.456 102.324,102.832 102.832,102.832 103.218,102.446
NetH5_2: H5.2 RBL_C2.1 RBL_C4.1 RBL_R3.2 RBL_R5.1 RBL_R8.2 RBL_R10.1 | length 95.3
  Signal 2 w0.4: v1(107.061,104.648) 108.458,103.251 110.363,103.251 111.506,104.394 118.237,104.394 121.412,101.219 121.412,94.488 123.952,91.948 123.952,86.36 127.762,82.55 127.762,79.629 125.349,77.216 125.349,75.874 125.352,75.871 125.352,74.298 124.841,73.787 124.841,61.468 122.426,59.053 H5.2@122.426,54.915
  Control Signals 2 w0.3: v3(89.916,101.219) 102.616,101.219 106.045,104.648 v1(107.061,104.648)
  Bottom Layer w0.254: RBL_R5.1@87.973,97.995 RBL_R5.1@88.089,97.995 ; RBL_C2.1@89.762,99.668 RBL_C2.1@89.878,99.668
  Bottom Layer w0.3: RBL_C2.1@89.789,99.706 89.916,99.833 v3(89.916,101.219)
  Bottom Layer w0.4: RBL_R5.1@88.089,97.995 RBL_C2.1@89.762,99.668 ; RBL_C2.1@89.878,99.668 RBL_R3.2@91.275,99.668 ; RBL_C4.1@106.134,105.88 105.791,105.537 105.791,104.621 105.818,104.648 v1(107.061,104.648) 107.631,104.648 RBL_R10.1@107.658,104.621
NetH8_1: H8.1 H8.6 LCL_C2_1.1 LCL_C2_2.1 LCL_R1_1.2 LCL_R1_2.2 LCL_U1_1.8 LCL_U1_2.8 | length 45.1
  Top Layer w0.4: LCL_R1_2.2@131.407,123.417 131.407,126.073 132.334,127 H8.1@134.5,127
  Power w0.8: H8.6@136.5,127 H8.1@134.5,127 132.588,127 130.683,125.095 130.683,112.522 133.477,109.728 v2(136.652,109.728)
  Bottom Layer w0.4: LCL_R1_1.2@134.212,109.563 135.587,109.563 135.587,109.728 ; LCL_C2_1.1@134.25,108.204 LCL_R1_1.2@134.25,109.525 ; 135.598,109.574 135.752,109.728
  Bottom Layer w0.7: LCL_C2_2.1@130.92,128.98 LCL_U1_2.8@130.92,127.11 131.03,127 H8.1@134.5,127 H8.6@136.5,127
  Bottom Layer w0.8: LCL_R1_1.2@134.212,109.563 LCL_R1_1.2@134.25,109.525 ; 135.587,109.728 135.598,109.739 LCL_U1_1.8@135.598,110.871 ; 135.752,109.728 v2(136.652,109.728)
  other v2: 137.414,109.728
NetH9_16: H9.16 HTR_R2.1 | length 9.1
  Power w0.4: H9.16@100.79,55.898 102.471,55.898 104.775,53.594 106.045,53.594 v2(107.315,52.324)
  Bottom Layer w0.5: v2(107.315,52.324) 107.315,53.075 HTR_R2.1@107.58,53.34
NetHK_C2_1_1: HK_C2_1.1 HK_C3_1.1 HK_R2_1.2 HK_U1_1.3 | length 4.4
  Top Layer w0.4: 72.56,111.75 72.56,112.692 72.644,112.776 74.124,112.776 HK_C3_1.1@74.35,112.55 ; HK_C2_1.1@74.4,110.75 HK_C3_1.1@74.4,112.3
NetHK_C2_2_1: HK_C2_2.1 HK_C3_2.1 HK_R2_2.2 HK_U1_2.3 | length 4.7
  Top Layer w0.4: HK_U1_2.3@104.56,111.45 104.56,112.423 104.659,112.522 106.078,112.522 HK_C3_2.1@106.35,112.25 ; HK_C3_2.1@106.206,112.107 106.4,111.913 HK_C2_2.1@106.4,110.45
NetHK_C2_3_1: HK_C2_3.1 HK_C3_3.1 HK_R2_3.2 HK_U1_3.3 | length 5.8
  Bottom Layer w0.5: HK_R2_3.2@117.9,117.475 HK_C2_3.1@117.9,119.15 ; HK_C2_3.1@117.95,119.2 118.4,119.2 HK_C3_3.1@120,120.8 ; HK_U1_3.3@118.51,121.05 HK_C3_3.1@119.95,121.05
NetHK_R1_1_2: HK_R1_1.2 HK_U1_1.4 | length 4.7
  Top Layer w0.208: HK_R1_1.2@66.1,113 66.548,112.552 66.548,112.141 66.802,111.887 69.302,111.887 69.749,111.44 HK_U1_1.4@69.937,111.44
NetHK_R1_1_3: HK_R1_1.3 HK_U1_1.5 | length 5.2
  Top Layer w0.4: HK_R1_1.3@66.15,106.6 66.548,106.998 66.548,107.696 68.453,109.601 HK_U1_1.5@69.691,109.601